# KiCad board Space.kicad_pcb (continued)
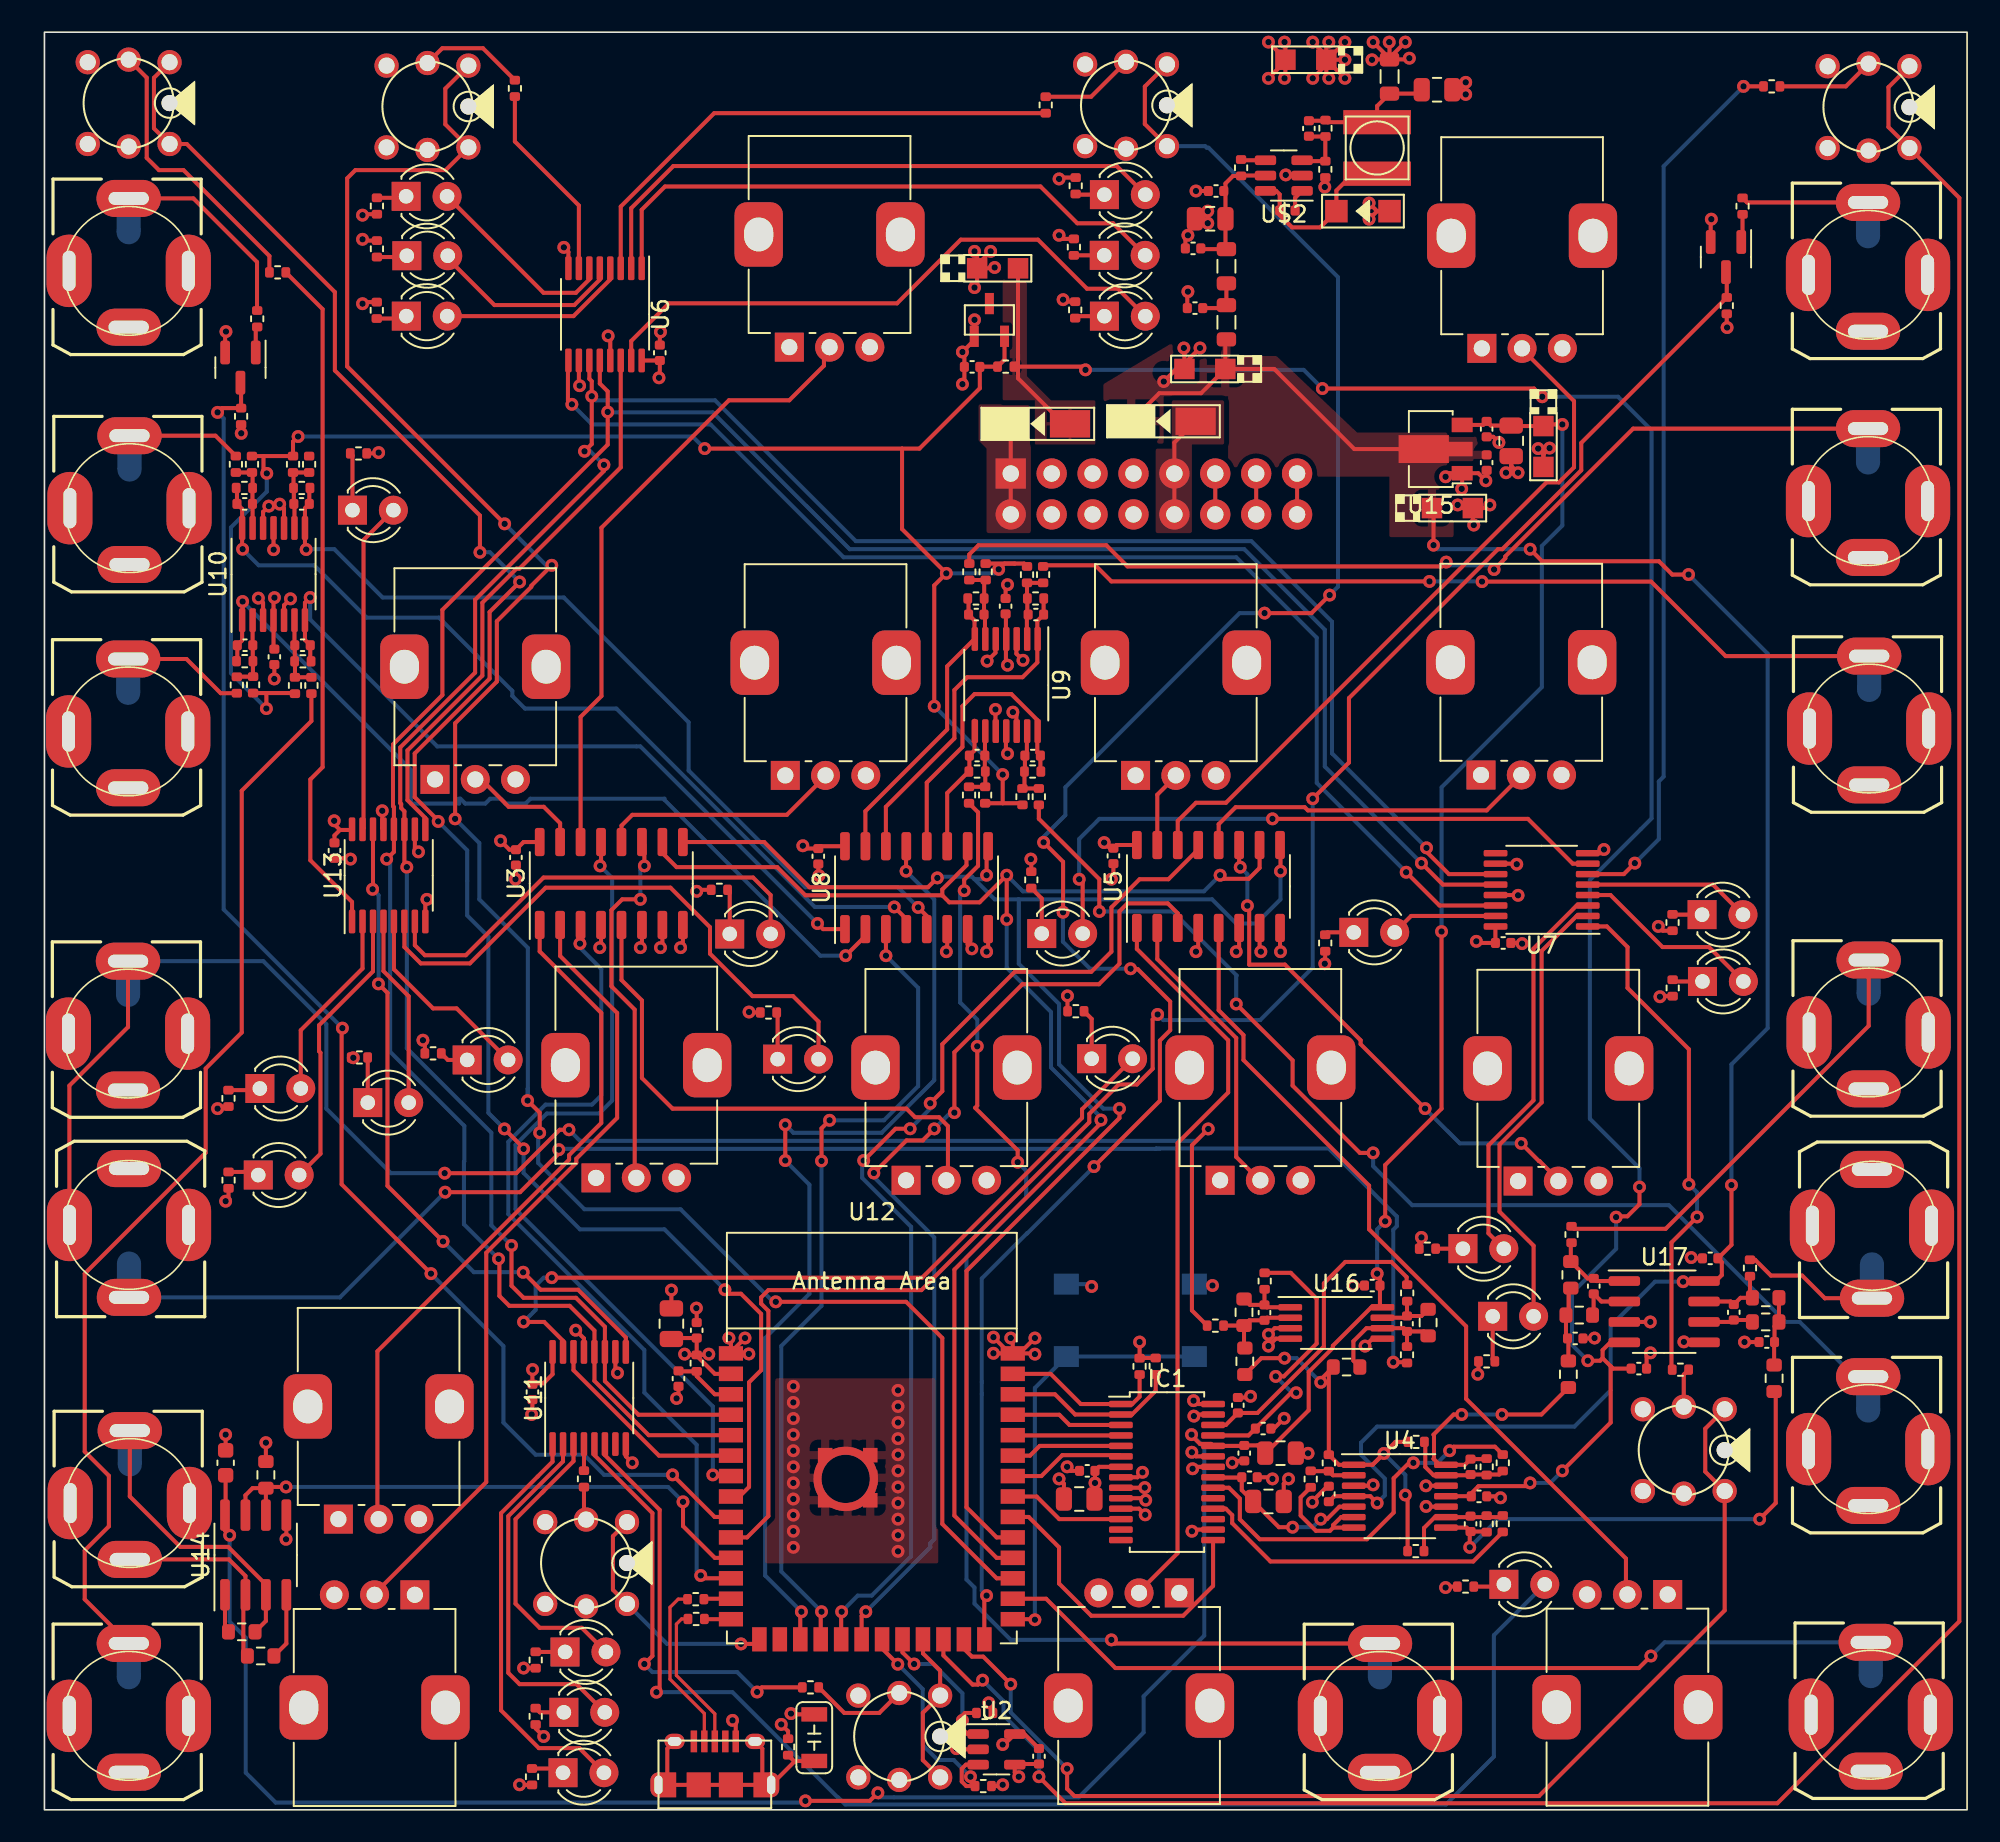
[diagram p0: board, top side]
## Footprints (pads in the part's own frame, mm; a bottom-side part is the same pattern mirrored in y, then rotated)
3.5MM-JACK-SWITCH-13MM-NOHOLES-TESTPAD
  oval 2.8x4.5 hole 0.8x2.5: RING(-3.7,0) SWITCH(3.7,0)
  oval 4x2.3 hole 2.5x0.8: SECOND(0,-3.5) TIP(0,4.5)
  rect 1.5x1.6 smd far side: TIP(0,3.2)
  round 1.5 smd far side: TIP(0,2.4)
C3216
  rect 0.889x1.6 smd: 1(-1.448,0) 2(1.448,0)
C132563
  rect 0.4x1.35 smd: 1(-1.3,4.15) 2(-0.65,4.15) 3(0,4.15) 4(0.65,4.15) 5(1.3,4.15)
  rrect 1.25x0.95 hole 0.85x0.55: B@2(-2.5,4.15) B@4(2.5,4.15)
  rect 1.1x1.55 smd: B@5(2.95,1.45) B@8(-2.95,1.45)
  rect 1.5x1.55 smd: B@6(1,1.45) B@7(-1,1.45)
  rrect 1x1.55 hole 0.5x1.15: B@9(-3.5,1.45) B@12(3.5,1.45)
C_0402_1005Metric
  rrect 0.56x0.62 smd: 1(-0.48,0) 2(0.48,0)
C_0603_1608Metric
  rrect 0.9x0.95 smd: 1(-0.775,0) 2(0.775,0)
C_0805_2012Metric
  rrect 1x1.45 smd: 1(-0.95,0) 2(0.95,0)
CASE-A_3216
  rect 1.27x1.27 smd: +(-1.27,0) -(1.27,0)
DO-214AC
  rect 2.5x1.7 smd: 1(-2,0) 2(2,0)
ESP32-S3-WROOM-1
  rect 1.5x0.9 smd: 1(-8.75,8.26) 2(-8.75,6.99) 3(-8.75,5.72) 4(-8.75,4.45) 5(-8.75,3.18) 6(-8.75,1.91) 7(-8.75,0.64) 8(-8.75,-0.63) 9(-8.75,-1.9) 10(-8.75,-3.17) 11(-8.75,-4.44) 12(-8.75,-5.71) 13(-8.75,-6.98) 14(-8.75,-8.25) 27(8.75,-8.25) 28(8.75,-6.98) 29(8.75,-5.71) 30(8.75,-4.44) 31(8.75,-3.17) 32(8.75,-1.9) 33(8.75,-0.63) 34(8.75,0.64) 35(8.75,1.91) 36(8.75,3.18) 37(8.75,4.45) 38(8.75,5.72) 39(8.75,6.99) 40(8.75,8.26)
  rect 0.9x1.5 smd: 15(-6.985,-9.5) 16(-5.715,-9.5) 17(-4.445,-9.5) 18(-3.175,-9.5) 19(-1.905,-9.5) 20(-0.635,-9.5) 21(0.635,-9.5) 22(1.905,-9.5) 23(3.175,-9.5) 24(4.445,-9.5) 25(5.715,-9.5) 26(6.985,-9.5)
  rect 0.9x0.9 smd: 41(-2.9,1.94) 41(-2.9,0.54) 41(-2.9,-0.86) 41(-1.5,1.94) 41(-1.5,0.54) 41(-1.5,-0.86) 41(-0.1,1.94) 41(-0.1,0.54) 41(-0.1,-0.86)
L0420
  rect 1.5x4.2 smd: 1(-1.6,0) 2(1.6,0)
L_0805_2012Metric
  rrect 0.875x1.2 smd: 1(-1.062,0) 2(1.062,0)
LED_D3.0mm_FlatTop
  rect 1.8x1.8 hole 0.9: 1(0,0)
  round 1.8 hole 0.9: 2(2.54,0)
PB6149L
  round 1 hole 1 unplated: (2.54,0)
  round 1.508 hole 1: 1(2.54,2.54) 2(2.54,-2.54) 3(-2.54,2.54) 4(-2.54,-2.54) LEDNEG(0,-2.7) LEDPOS(0,2.7)
Potentiometer_Alps_RK09K_Single_Vertical
  rect 1.8x1.8 hole 1: 1(0,0)
  round 1.8 hole 1: 2(0,-2.5) 3(0,-5)
  rrect 4x3 hole 2.1x1.8: MP(7,1.9) MP(7,-6.9)
POWER_16_SHROUDED
  rect 1.88x1.88 hole 1.016: 1(-8.89,-1.27)
  round 1.88 hole 1.016: 2(-8.89,1.27) 3(-6.35,-1.27) 4(-6.35,1.27) 5(-3.81,-1.27) 6(-3.81,1.27) 7(-1.27,-1.27) 8(-1.27,1.27) 9(1.27,-1.27) 10(1.27,1.27) 11(3.81,-1.27) 12(3.81,1.27) 13(6.35,-1.27) 14(6.35,1.27) 15(8.89,-1.27) 16(8.89,1.27)
R_0402_1005Metric
  rrect 0.54x0.64 smd: 1(-0.51,0) 2(0.51,0)
R_0603_1608Metric
  rrect 0.8x0.95 smd: 1(-0.825,0) 2(0.825,0)
SO-16_3.9x9.9mm_P1.27mm
  rrect 1.75x0.6 smd: 1(-2.575,4.445) 2(-2.575,3.175) 3(-2.575,1.905) 4(-2.575,0.635) 5(-2.575,-0.635) 6(-2.575,-1.905) 7(-2.575,-3.175) 8(-2.575,-4.445) 9(2.575,-4.445) 10(2.575,-3.175) 11(2.575,-1.905) 12(2.575,-0.635) 13(2.575,0.635) 14(2.575,1.905) 15(2.575,3.175) 16(2.575,4.445)
SOD123
  rect 1.397x1.397 smd: +(-1.651,0) -(1.651,0)
SOIC-8_3.9x4.9mm_P1.27mm
  rrect 1.95x0.6 smd: 1(-2.475,1.905) 2(-2.475,0.635) 3(-2.475,-0.635) 4(-2.475,-1.905) 5(2.475,-1.905) 6(2.475,-0.635) 7(2.475,0.635) 8(2.475,1.905)
SOT95P237X112-3N
  rect 1.321x0.559 smd: 1(-1.016,0.94) 2(-1.016,-0.94) 3(1.016,0)
SOT-23
  rrect 1.475x0.6 smd: 1(-0.938,0.95) 2(-0.938,-0.95) 3(0.938,0)
SOT-23-5
  rrect 1.325x0.6 smd: 1(-1.137,0.95) 2(-1.137,0) 3(-1.137,-0.95) 4(1.137,-0.95) 5(1.137,0.95)
SOT-23-6
  rrect 1.325x0.6 smd: 1(-1.137,0.95) 2(-1.137,0) 3(-1.137,-0.95) 4(1.137,-0.95) 5(1.137,0) 6(1.137,0.95)
SOT-89-3
  rect 1.3x0.9 smd: 1(-1.65,1.5) 3(-1.65,-1.5)
  custom 4.6x1.733 smd: 2(-1.562,0)
SW_Push_1P1T_NO_6x6mm_H9.5mm
  rect 1.55x1.3 smd: 1(-3.975,2.25) 1(3.975,2.25) 2(-3.975,-2.25) 2(3.975,-2.25)
TSSOP-8_4.4x3mm_P0.65mm
  rrect 1.475x0.4 smd: 1(-2.862,0.975) 2(-2.862,0.325) 3(-2.862,-0.325) 4(-2.862,-0.975) 5(2.862,-0.975) 6(2.862,-0.325) 7(2.862,0.325) 8(2.862,0.975)
TSSOP-14_4.4x5mm_P0.65mm
  rrect 1.475x0.4 smd: 1(-2.862,1.95) 2(-2.862,1.3) 3(-2.862,0.65) 4(-2.862,0) 5(-2.862,-0.65) 6(-2.862,-1.3) 7(-2.862,-1.95) 8(2.862,-1.95) 9(2.862,-1.3) 10(2.862,-0.65) 11(2.862,0) 12(2.862,0.65) 13(2.862,1.3) 14(2.862,1.95)
TSSOP-16_4.4x5mm_P0.65mm
  rrect 1.475x0.4 smd: 1(-2.862,2.275) 2(-2.862,1.625) 3(-2.862,0.975) 4(-2.862,0.325) 5(-2.862,-0.325) 6(-2.862,-0.975) 7(-2.862,-1.625) 8(-2.862,-2.275) 9(2.862,-2.275) 10(2.862,-1.625) 11(2.862,-0.975) 12(2.862,-0.325) 13(2.862,0.325) 14(2.862,0.975) 15(2.862,1.625) 16(2.862,2.275)
TSSOP-28_4.4x9.7mm_P0.65mm
  rrect 1.475x0.4 smd: 1(-2.862,4.225) 2(-2.862,3.575) 3(-2.862,2.925) 4(-2.862,2.275) 5(-2.862,1.625) 6(-2.862,0.975) 7(-2.862,0.325) 8(-2.862,-0.325) 9(-2.862,-0.975) 10(-2.862,-1.625) 11(-2.862,-2.275) 12(-2.862,-2.925) 13(-2.862,-3.575) 14(-2.862,-4.225) 15(2.862,-4.225) 16(2.862,-3.575) 17(2.862,-2.925) 18(2.862,-2.275) 19(2.862,-1.625) 20(2.862,-0.975) 21(2.862,-0.325) 22(2.862,0.325) 23(2.862,0.975) 24(2.862,1.625) 25(2.862,2.275) 26(2.862,2.925) 27(2.862,3.575) 28(2.862,4.225)

## Nets
+3V3: C9.1 C10.1 C31.1 C32.1 C33.1 C34.1 C35.1 C36.1 C45.2 C46.1 C55.+ C61.1 C62.1 C63.1 C64.1 IC1.7 L8.2 R76.2 R77.1 R78.1 R93.2 R95.2 R118.2 R119.1 R120.2 RV1.3 RV2.3 RV3.3 RV4.3 RV5.3 RV6.3 RV8.3 RV9.3 RV10.3 RV11.3 RV13.3 RV14.3 RV15.3 RV16.3 U2.4 U3.16 U5.16 U6.10 U6.16 U7.10 U7.16 U8.16 U9.4 U10.4 U11.10 U11.16 U12.2 U13.10 U13.16
+5V: C1.1 C7.2 C8.+ C15.1 C16.1 C47.1 C71.1 IC1.24 U14.8 U15.3 U16.8
+12V: C2.1 C3.+ C27.1 C28.1 C50.+ D21.2 L5.1 U4.4 U15.2 U17.8
-5V: C57.2 R38.1 R40.1 R44.1 R46.1 R50.1 R52.1 R56.1 R58.1 R72.2 U1.2
-12V: C26.1 C29.1 C58.- D22.1 R72.1 U4.11 U17.4
/PCM3060/VINL: C14.2 IC1.25 R97.2
/PCM3060/VINR: C11.2 IC1.26 R98.2
/Power/3.3v_regulator_feedback_1: C54.2 C56.1 L7.2 L8.1 R70.1
/Power/3.3v_regulator_feedback_2: C56.2 R70.2 R71.1 U$2.3
/Power/3.3v_regulator_filter: C51.2 L5.2 L6.1
/Power/3.3v_regulator_inputside: C49.2 C52.2 C53.2 L6.2 R69.2 U$2.5
/Power/3.3v_regulator_switchoutput: C48.1 D3.- L7.1 U$2.6
GND: C1.2 C2.2 C3.- C7.1 C8.- C9.2 C10.2 C11.1 C12.2 C13.2 C14.1 C15.2 C16.2 C24.1 C25.1 C26.2 C27.2 C28.2 C29.2 C31.2 C32.2 C33.2 C34.2 C35.2 C36.2 C45.1 C46.2 C47.2 C49.1 C50.- C51.1 C52.1 C53.1 C54.1 C55.- C57.1 C58.+ C59.1 C60.2 C61.2 C62.2 C63.2 C64.2 C71.2 D3.+ IC1.8 IC1.9 IC1.10 IC1.11 IC1.16 IC1.22 IC1.23 IC1.27 IC1.28 J1.3 J1.4 J1.5 J1.6 J1.7 J1.8 J14.5 JACK1.RING JACK1.SWITCH JACK2.RING JACK2.SWITCH JACK3.RING JACK3.SWITCH JACK4.RING JACK4.SWITCH JACK5.RING JACK5.SWITCH JACK6.RING JACK6.SWITCH JACK7.RING JACK7.SWITCH JACK8.RING JACK9.RING JACK9.SWITCH JACK10.RING JACK10.SWITCH JACK11.RING JACK12.RING JACK13.RING JACK13.SWITCH JACK14.RING JACK15.RING Q3.2 Q4.2 R1.2 R2.2 R4.2 R25.2 R26.2 R28.2 R30.2 R32.2 R33.2 R34.2 R35.2 R36.2 R37.2 R64.2 R65.2 R71.2 R75.1 R80.2 R82.2 R83.2 R84.2 R87.2 R88.2 R89.2 R91.2 R92.2 RV1.1 RV2.1 RV3.1 RV4.1 RV5.1 RV6.1 RV8.1 RV9.1 RV10.1 RV11.1 RV13.1 RV14.1 RV15.1 RV16.1 SW1.1 U1.1 U2.2 U2.5 U3.4 U3.6 U3.7 U3.8 U4.3 U4.10 U4.12 U5.4 U5.6 U5.7 U5.8 U6.8 U6.13 U7.8 U7.13 U8.6 U8.7 U8.8 U9.3 U9.5 U9.10 U9.11 U9.12 U10.3 U10.5 U10.10 U10.11 U10.12 U11.8 U11.13 U12.1 U12.40 U12.41 U13.8 U13.13 U14.5 U15.1 U16.3 U16.4 U16.5 U17.3 U17.5 U$2.2 U$3.3 U$3.4 U$3.LEDNEG U$4.3 U$4.4 U$4.LEDNEG U$5.3 U$5.4 U$5.LEDNEG U$6.3 U$6.4 U$6.LEDNEG U$7.3 U$7.4 U$7.LEDNEG U$8.3 U$8.4 U$8.LEDNEG U$9.3 U$9.4 U$9.LEDNEG
/_MIDIIN1: JACK15.SECOND R122.1 U14.2
/_MIDIIN2: JACK15.TIP R121.1 U14.3
/BOOTSEL_BUT: SW1.2 U12.27
/BUTTON_DELAY: U12.29 U$7.1 U$7.2
/BUTTON_FREEZE: U12.24 U$4.1 U$4.2
/BUTTON_PITCH: U12.15 U$8.1 U$8.2
/BUTTON_PITCHPOINT: U12.23 U$5.1 U$5.2
/BUTTON_SEND: U12.25 U$6.1 U$6.2
/BUTTON_TAIL: U12.26 U$9.1 U$9.2
/BUTTON_TAP: U12.8 U$3.1 U$3.2
/CODEC_RESET: IC1.15 U12.32
/CODEC_SCL: IC1.1 R119.2 U12.39
/CODEC_SDA: IC1.2 R118.1 U12.38
/CodecBuffer/BIAS_BUFFERED: R102.1 U4.6 U4.7
/CodecBuffer/BIAS_INVERTED: R68.1 R100.1 R103.2 R106.1 R117.1 U4.1
/CodecBuffer/In_Jack_Left: JACK13.TIP JACK14.SWITCH R67.1
/CodecBuffer/In_Jack_Right: JACK14.TIP R99.1
/CodecBuffer/Out_Jack_Left: JACK11.TIP R110.2
/CodecBuffer/Out_Jack_Right: JACK12.TIP R115.2
/CodecBuffer/Out_Left: IC1.20 R114.1
/CodecBuffer/Out_Left_Neg: IC1.19
/CodecBuffer/Out_Right: IC1.18 R105.1
/CodecBuffer/Out_Right_Neg: IC1.17
/CVADC0: U8.13 U12.17
/CVADC1: U8.3 U12.18
/CVJacks/CV_DELAY_FEEDBACK: JACK2.TIP R39.1
/CVJacks/CV_DELAY_LENGTH: JACK1.TIP R57.1
/CVJacks/CV_MIX: JACK7.TIP R59.1
/CVJacks/CV_PITCH_CONTROL: JACK4.TIP R53.1
/CVJacks/CV_PITCH_TRANSPOSE: JACK3.TIP R45.1
/CVJacks/CV_TAIL_LENGTH: JACK6.TIP R47.1
/CVJacks/CV_TAIL_TEMPERATURE: JACK5.TIP R41.1
/CVJacks/JACK_FREEZE: JACK9.TIP R96.1
/CVJacks/JACK_TAP: JACK10.TIP R94.1
/CVJacks/XCV0: C38.2 R43.2 U8.14 U9.1
/CVJacks/XCV1: C40.2 R49.2 U8.15 U9.7
/CVJacks/XCV2: C42.2 R55.2 U8.11 U9.8
/CVJacks/XCV3: C44.2 R61.2 U8.12 U9.14
/CVJacks/XCV4: C39.2 R48.2 U8.1 U10.7
/CVJacks/XCV5: C41.2 R54.2 U8.5 U10.8
/CVJacks/XCV6: C37.2 R42.2 U8.2 U10.1
/CVJacks/XCV7: C43.2 R60.2 U8.4 U10.14
/CVMUX0: U3.10 U5.10 U8.10 U12.30
/CVMUX1: U3.9 U5.9 U8.9 U12.31
/EEPROM_SCL: R77.2 U2.1 U12.22
/EEPROM_SDA: R76.1 U2.3 U12.21
/EN: C60.1 R78.2 U12.3
/I2S_ADC: IC1.12 U12.33
/I2S_BCLK: IC1.5 U12.35
/I2S_DAC: IC1.3 U12.37
/I2S_LRC: IC1.4 U12.36
/JACK_FREEZE: Q3.3 R95.1 U12.10
/JACK_TAP: Q4.3 R93.1 U12.9
/KNOBADC0: U3.13 U12.7
/KNOBADC1: U3.3 U12.12
/KNOBADC2: U5.13 U12.19
/KNOBADC3: U5.3 U12.20
/Knobs/KNOB_DELAY: RV14.2 U3.5
/Knobs/KNOB_DELAY_FEEDBACK: RV2.2 U3.15
/Knobs/KNOB_DELAY_LENGTH: RV13.2 U3.14
/Knobs/KNOB_DELAY_PATTERN: RV5.2 U3.12
/Knobs/KNOB_DIFFUSE: RV11.2 U3.11
/Knobs/KNOB_DIFFUSE_STYLE: RV4.2 U3.1
/Knobs/KNOB_ENVTRACK: RV9.2 U5.5
/Knobs/KNOB_MAIN: RV15.2 U5.11
/Knobs/KNOB_PITCH_CONTROL: RV16.2 U5.1
/Knobs/KNOB_PITCH_TRANSPOSE: RV8.2 U3.2
/Knobs/KNOB_TAIL: RV6.2 U5.2
/Knobs/KNOB_TAIL_CHORALITY: RV3.2 U5.15
/Knobs/KNOB_TAIL_LENGTH: RV1.2 U5.14
/Knobs/KNOB_TAIL_TEMPERATURE: RV10.2 U5.12
/LED_DELAY: R85.1 U6.7
/LED_DELAYMODE_1: D26.2 U6.6
/LED_DELAYMODE_2: D27.2 U6.5
/LED_DELAYMODE_3: D28.2 U6.4
/LED_ENVTRACKER_OUT: D1.2 U11.6
/LED_FREEZE: R62.1 U7.6
/LED_MIX_DELAY: D32.2 U7.7
/LED_MIX_DIFFUSE: D20.2 U13.7
/LED_MIX_TAIL: D33.2 U7.15
/LED_PITCH: R86.1 U11.4
/LED_PITCHMODE_1: D23.2 U11.3
/LED_PITCHMODE_2: D24.2 U11.2
/LED_PITCHMODE_3: D25.2 U11.1
/LED_PITCHPOINT: R63.1 U11.5
/LED_PP_DELAY: D15.2 U13.6
/LED_PP_DELAY_FEEDBACK: D13.2 U13.15
/LED_PP_DIFFUSE: D11.2 U13.5
/LED_PP_DRY: D7.2 U7.2
/LED_PP_MAINPOST: D17.2 U7.3
/LED_PP_MAINPRE: D9.2 U13.4
/LED_PP_TAIL: D19.2 U11.15
/LED_SEND: R81.1 U7.1
/LED_TAIL: R90.1 U6.3
/LED_TAILMODE_1: D29.2 U6.2
/LED_TAILMODE_2: D30.2 U6.1
/LED_TAILMODE_3: D31.2 U6.15
/LED_TAP: R79.1 U13.1
/LED_VU_IN_1: D16.2 U13.3
/LED_VU_IN_2: D18.2 U13.2
/LED_VU_OUT_1: D4.2 U7.5
/LED_VU_OUT_2: D8.2 U7.4
/LEDCLK: U6.11 U7.11 U11.11 U12.4 U13.11
/LEDDAT: U11.14 U12.6
/LEDLAT: U6.12 U7.12 U11.12 U12.5 U13.12
/MCLK: IC1.6 U12.34
/MIDIIN: R120.1 U12.11 U14.6 U14.7
/MODENV_PWM: JACK8.TIP U12.28
/PCM3060/VCOM: C12.1 C13.1 IC1.21 U4.5
/Power/min12in: D22.2 J1.1 J1.2
/Power/plus12in: D21.1 J1.9 J1.10
/SHIFTER_CONN_A: U6.9 U7.14
/SHIFTER_CONN_B: U6.14 U13.9
/SHIFTER_CONN_C: U11.9 U13.14
/USB_N: J14.2 R74.1
/USB_P: J14.3 R73.1
Net-(C24-Pad2): C24.2 R107.2 R108.1 R109.1
Net-(C25-Pad2): C25.2 R111.1 R112.2 R113.1
Net-(C65-Pad1): C65.1 R66.2 R97.1 U16.1
Net-(C66-Pad1): C66.1 R98.1 R101.2 U16.7
Net-(C67-Pad1): C67.1 R104.2 R112.1 U4.8
Net-(C68-Pad1): C68.1 R109.2 R110.1 U17.1
Net-(C69-Pad1): C69.1 R111.2 R115.1 U17.7
Net-(C70-Pad1): C70.1 R107.1 R116.2 U4.14
Net-(D1-K): D1.1 R1.1
Net-(D4-K): D4.1 R2.1
Net-(D7-K): D7.1 R4.1
Net-(D8-K): D8.1 R25.1
Net-(D9-K): D9.1 R26.1
Net-(D11-K): D11.1 R28.1
Net-(D13-K): D13.1 R30.1
Net-(D15-K): D15.1 R32.1
Net-(D16-K): D16.1 R33.1
Net-(D17-K): D17.1 R34.1
Net-(D18-K): D18.1 R35.1
Net-(D19-K): D19.1 R36.1
Net-(D20-K): D20.1 R37.1
Net-(D23-K): D23.1 R64.1
Net-(D24-K): D24.1 R65.1
Net-(D25-K): D25.1 R80.1
Net-(D26-K): D26.1 R82.1
Net-(D27-K): D27.1 R83.1
Net-(D28-K): D28.1 R84.1
Net-(D29-K): D29.1 R87.1
Net-(D30-K): D30.1 R88.1
Net-(D31-K): D31.1 R89.1
Net-(D32-K): D32.1 R91.1
Net-(D33-K): D33.1 R92.1
Net-(J14-GND@3): C59.2 J14.B@2 J14.B@4 J14.B@5 J14.B@6 J14.B@7 J14.B@8 J14.B@9 J14.B@12 R75.2
Net-(Q3-B): Q3.1 R96.2
Net-(Q4-B): Q4.1 R94.2
Net-(U4A--): R102.2 R103.1 U4.2
Net-(U4C--): C67.2 R104.1 R105.2 R106.2 U4.9
Net-(U4D--): C70.2 R114.2 R116.1 R117.2 U4.13
Net-(U9A--): C38.1 R40.2 R41.2 R43.1 U9.2
Net-(U9B--): C40.1 R46.2 R47.2 R49.1 U9.6
Net-(U9C--): C42.1 R52.2 R53.2 R55.1 U9.9
Net-(U9D--): C44.1 R58.2 R59.2 R61.1 U9.13
Net-(U10A--): C37.1 R38.2 R39.2 R42.1 U10.2
Net-(U10B--): C39.1 R44.2 R45.2 R48.1 U10.6
Net-(U10C--): C41.1 R50.2 R51.2 R54.1 U10.9
Net-(U10D--): C43.1 R56.2 R57.2 R60.1 U10.13
Net-(U12-GPIO19/U1RTS/ADC2_CH8/CLK_OUT2/USB_D-): R74.2 U12.13
Net-(U12-GPIO20/U1CTS/ADC2_CH9/CLK_OUT1/USB_D+): R73.2 U12.14
Net-(U14-A1): R121.2 U14.1
Net-(U14-A2): R122.2 U14.4
Net-(U16A--): C65.2 R66.1 R67.2 R68.2 U16.2
Net-(U16B--): C66.2 R99.2 R100.2 R101.1 U16.6
Net-(U17A--): C68.2 R108.2 U17.2
Net-(U17B--): C69.2 R113.2 U17.6
Net-(U$2-BST): C48.2 U$2.1
Net-(U$2-EN): R69.1 U$2.4
Net-(U$3-POS): R79.2 U$3.LEDPOS
Net-(U$4-POS): R62.2 U$4.LEDPOS
Net-(U$5-POS): R63.2 U$5.LEDPOS
Net-(U$6-POS): R81.2 U$6.LEDPOS
Net-(U$7-POS): R85.2 U$7.LEDPOS
Net-(U$8-POS): R86.2 U$8.LEDPOS
Net-(U$9-POS): R90.2 U$9.LEDPOS

Pads without a net: IC1 13 14; J1 11 12 13 14 15 16; J14 1 4; JACK1 SECOND; JACK2 SECOND; JACK3 SECOND; JACK4 SECOND; JACK5 SECOND; JACK6 SECOND; JACK7 SECOND; JACK8 SECOND SWITCH; JACK9 SECOND; JACK10 SECOND; JACK11 SECOND SWITCH; JACK12 SECOND SWITCH; JACK13 SECOND; JACK14 SECOND; JACK15 SWITCH; R51 1; RV1 MP; RV2 MP; RV3 MP; RV4 MP; RV5 MP; RV6 MP; RV8 MP; RV9 MP; RV10 MP; RV11 MP; RV13 MP; RV14 MP; RV15 MP; RV16 MP; U1 3; U7 9; U11 7; U12 16

## Via types
v1: diameter 0.8, hole 0.4, Top to Bottom, 377 vias
v2: diameter 4, hole 3, Top to Bottom, 1 via

## Routing (per net, layer and track width the routed paths; a pad name or vN(x,y) marks a point on that pad's centre or on a via; arc(x,y) is an arc through that point)
+3V3: length 65.8
  Top w0.25: L8.2 84.67,108.73 v1(84.75,108.81) ; L8.2 83.52,108.78 v1(82.5,109.81) ; L8.2 82.45,108.73 v1(82.43,108.71) ; L8.2 83.52,108.83 v1(84.5,109.81) ; L8.2 83.52,109.78 v1(83.5,109.81) ; U13.16 19.06,60.87 18.35,60.87 ; v1(14.28,75.3) 14.22,75.24 U10.4 14.22,72.15 C45.2 ; C55.+ 79.59,109.65 v1(79.75,109.81) ; C55.+ 79.65,108.71 v1(80.75,109.81) ; C55.+ 79.59,107.71 v1(79.75,107.56) ; C55.+ 79.59,108.96 v1(78.75,109.81) ; C55.+ 79.6,108.71 v1(80.75,107.56) ; C55.+ v1(80.75,108.71) ; C55.+ 79.59,108.4 v1(78.75,107.56) ; C61.1 38.99,29.31 C62.1 ; R95.2 104.46,92.09 v1(104.48,92.08) ; U7.16 90.09,54.86 C33.1 89.01,53.85 v1(88.91,53.95) ; v1(68,29.06) R119.1 68.01,28.07 R118.2 ; R120.2 v1(13.75,22.81) ; U12.2 41.62,27.08 40.5,28.21 R78.1 ; C36.1 59.7,74.27 59.7,71.2 v1(59.8,71.1) ; v1(39.75,28.31) 39.8,28.26 R78.1 ; v1(65.8,60.08) 66.15,59.74 C32.1 66.57,59.93 U5.16 ; IC1.7 65.48,21.31 C10.1 v1(65.23,20.31) 65.23,19.34 C9.1 ; v1(38.16,88.95) 38.21,89 C34.1 37.09,90.03 U6.16 ; v1(33.23,88.46) 33.18,88.51 U6.10 ; R78.1 41.2,28.26 v1(41.25,28.31) ; R78.1 C62.1 ; v1(17.99,61.44) 17.99,61.23 18.35,60.87 ; v1(91.42,58.74) 91.38,58.77 U7.10 ; U11.16 31.55,27.06 30.99,26.5 30.36,26.5 C46.1 30.3,27.34 v1(30.31,27.35) ; U3.16 29.75,60.12 29.28,59.64 28.88,59.64 v1(28.32,60.2) ; v1(12.22,85.51) 12.21,85.52 R93.2 ; C62.1 40.61,29.31 ; 18.35,60.87 18.01,60.53 C63.1 ; R77.1 58.89,6.39 v1(58.63,6.65) ; v1(59.5,1.56) 59.42,1.47 R76.2 ; v1(23.22,59.51) 23,59.73 U13.10 ; v1(60.5,2.06) 60.25,2.31 U2.4 60.29,2.84 C64.1 ; v1(47.09,59.89) 47.27,59.71 C35.1 48.19,59.86 49.7,59.86 ; v1(35.58,27.14) 35.45,27.27 U11.10
+5V: length 182
  Top w0.25: v1(51.75,1.06) 51.25,0.56 v1(47.25,0.56) ; v1(11.5,17.06) 11.21,17.34 U14.8 11.25,18.34 C71.1 ; U15.3 89.33,86.03 C1.1 89.81,85.99 C7.2 91.1,85.96 C8.+ 93.18,86.06 v1(94.25,86.06) ; v1(86.75,54.56) 86.75,43.56 83.25,40.06 v1(83.25,36.56) ; v1(71.23,23.31) 71.17,23.31 71.75,22.73 72.44,22.73 IC1.24 74.47,22.61 C16.1 75.32,22.64 C15.1 75.84,22.16 78.5,24.82 78.5,27.2 80,28.7 80,28.83 82.39,31.22 U16.8 82.93,31.37 C47.1 82.93,33.13 v1(82.75,33.31)
  Bottom w0.25: v1(71.23,23.31) 72.01,22.52 72.01,10.82 68.25,7.06 68.25,4.81 64.22,0.78 51.78,0.78 51.75,0.81 v1(51.75,1.06) ; v1(47.25,0.56) 47.14,0.45 14.36,0.45 12.5,2.31 12.5,10.68 11.5,11.68 v1(11.5,17.06) ; v1(83.25,36.56) 82.75,36.06 v1(82.75,33.31) ; v1(86.75,54.56) 86.75,63.51 92.97,69.74 92.97,78.5 94.25,79.78 v1(94.25,86.06)
+12V: length 128.5
  Top w0.25: C50.+ 76.36,89.5 81.33,84.53 U15.2 ; C50.+ 73.32,91.27 L5.1 ; C50.+ 71.82,88 69.22,88 D21.2 ; v1(101.75,32.81) 101.79,32.85 U17.8 103.78,32.85 104.15,33.22 104.15,34.02 C28.1 104.75,35.1 v1(104.75,38.81) ; v1(86.25,78.56) 86.25,80.77 C3.+ ; v1(102.08,76.73) 101.08,76.73 100.25,77.56 93,77.56 v1(92.25,78.31) ; C27.1 80.09,19.48 U4.4 82.32,19.48 v1(82.75,19.06)
  Bottom w0.25: v1(86.25,78.56) 86.5,78.31 v1(92.25,78.31) ; v1(101.75,32.81) 100,32.81 97.25,30.06 97.25,26.06 95,23.81 82.75,23.81 81.75,22.81 81.75,22.06 83.22,20.58 83.22,19.53 v1(82.75,19.06) ; v1(102.08,76.73) 107,71.81 107,48.56 104.75,46.31 v1(104.75,38.81)
-5V: length 108.5
  Top w0.25: v1(13.8,83.02) 13.6,83.22 13.6,84.09 ; 59.5,62.53 v1(59.5,64.31) ; 59.5,62.53 R52.1 ; 59.5,62.53 60.63,62.53 R58.1 ; 13.6,84.09 R56.1 ; 13.6,84.09 R50.1 15.44,84.99 v1(15.75,85.31) ; v1(59.25,77.06) 59.61,77.41 60.25,77.41 ; 13.73,69.37 13.78,69.32 v1(13.78,68.41) ; 13.73,69.37 R38.1 ; 13.73,69.37 15.52,69.37 15.56,69.33 ; 60.25,77.41 60.83,77.41 R40.1 ; 60.25,77.41 R46.1 ; 53.25,84.56 53.25,79.56 v1(56,76.81) 55.25,76.06 v1(55.25,68.56) ; 53.25,84.56 v1(41,84.56) ; 53.25,84.56 54.33,84.56 58.08,88.3 C57.2 58.09,89.65 R72.2 59.61,90.08 U1.2
  Bottom w0.25: v1(56,76.81) 59,76.81 v1(59.25,77.06) ; v1(13.8,83.02) 13.8,81.88 11.58,79.65 11.58,70.61 v1(13.78,68.41) ; v1(15.75,85.31) 40.25,85.31 v1(41,84.56) ; v1(59.5,64.31) v1(55.25,68.56)
-12V: length 137.3
  Top w0.25: C58.- 60.45,90.42 ; 60.45,90.42 60.45,89.9 R72.1 64.44,89.65 v1(64.64,89.45) ; 60.45,90.42 60.45,88.92 63.28,86.09 D22.1 ; v1(99.04,38.69) 99.04,37.62 98.29,36.87 97.64,36.87 v1(97.59,36.82) ; v1(79.35,88.28) 92.49,88.28 v1(93,87.78) ; v1(92.25,20.31) 92.05,20.11 89.05,20.11 88.59,19.65 C26.1 88.59,19.48 U4.11 ; U17.4 97.23,29.04 96.75,28.56 96.75,28.06 ; 97.25,27.56 97.4,27.41 C29.1 ; 97.25,27.56 96.75,28.06 ; 97.25,27.56 97.25,24.06 v1(94.25,21.06) ; 96.75,28.06 96.59,27.9 v1(95.83,27.9)
  Bottom w0.25: v1(93,87.78) 97.71,87.78 99.79,85.7 99.79,61.59 95.96,57.76 95.96,42.93 99.04,39.85 v1(99.04,38.69) ; v1(97.59,36.82) 97.59,34.85 94.85,32.11 94.85,28.88 v1(95.83,27.9) ; v1(92.25,20.31) 93.5,20.31 v1(94.25,21.06) ; v1(79.35,88.28) 78.19,89.45 v1(64.64,89.45)
/PCM3060/VINL: length 18
  Top w0.25: R97.2 77.39,33.36 78.99,31.75 78.99,28.96 76.95,26.92 v1(76.45,26.92) ; IC1.25 74.76,23.26 C14.2 75.19,23.69 77.41,25.91 v1(77.72,25.91)
  Bottom w0.25: v1(76.45,26.92) 77.47,25.91 v1(77.72,25.91)
/PCM3060/VINR: length 19.4
  Top w0.25: R98.2 84.58,32.65 84.58,33.09 83.64,34.03 80.77,34.03 79.44,32.7 79.44,28.78 75.32,24.65 C11.2 73.35,23.91 IC1.26
/Power/3.3v_regulator_feedback_1: length 8.5
  Top w0.25: C54.2 85.28,106.6 L8.1 82.75,105.83 L7.2 79.67,104.83 R70.1 79.5,104.92 C56.1
/Power/3.3v_regulator_feedback_2: length 4
  Top w0.25: U$2.3 78.15,102.41 R71.1 79.53,103.93 79.54,103.94 78.53,103.94 C56.2
/Power/3.3v_regulator_filter: length 2.9
  Top w0.25: C51.2 73.21,93.28 L5.2 L6.1
/Power/3.3v_regulator_inputside: length 8.4
  Top w0.25: U$2.5 74.33,101.52 R69.2 73.8,101.49 73.33,101.02 C49.2 73.33,97 L6.2 71.85,96.94 C52.2
/Power/3.3v_regulator_switchoutput: length 10.8
  Top w0.25: 82.75,101.63 81.26,101.63 80.22,100.58 D3.- 79.21,98.3 77.47,98.3 76.7,99.07 C48.1 76.7,100.34 76.48,100.56 U$2.6
GND: length 181
  Top w0.25: v1(29.25,57.81) 29.28,57.83 C31.2 ; v1(76,109.81) 77.05,108.75 C55.- ; v1(38.25,91.81) 38.21,91.76 C34.2 ; C24.1 96.22,29.28 v1(96.25,29.31) ; C14.1 76.34,23.68 v1(76.98,24.32) ; C3.- 88.69,79.86 v1(88.75,79.81) ; C3.- 89.56,80.86 v1(89.75,81.06) ; C3.- 87.94,80.86 v1(87.75,81.06) ; U11.8 36.1,21.96 v1(36.5,21.56) ; C27.2 79.66,20.1 78.73,19.16 v1(78.73,19.11) ; 60.35,72.73 60.35,71.81 v1(60.76,71.4) ; C55.- 77.05,108.61 v1(76,107.56) ; C55.- 77.05,109.75 v1(77,109.81) ; C55.- 77.05,107.61 v1(77,107.56) ; v1(71.75,90.81) 70.78,89.84 C50.- ; IC1.28 71.56,25.21 v1(71.35,25.42) ; v1(70.75,90.81) 70.78,90.77 C50.- ; U3.7 38.37,53.68 v1(38.25,53.56) ; v1(73.75,21.56) 73.87,21.68 C16.2 ; v1(77.08,101.56) 77.12,101.52 U$2.2 ; v1(31,4.56) 30.5,5.06 R65.2 ; v1(57.75,94.56) 57.91,94.72 C58.+ ; v1(58.92,28.36) 58.93,28.35 U12.40 ; 83.52,99.31 82.75,99.31 ; 82.75,99.31 v1(82.25,99.81) ; 82.75,99.31 v1(82.25,98.81) ; v1(56,53.31) 56.06,53.36 U8.6 ; U6.13 35.13,91.42 v1(35,91.56) ; IC1.23 71.5,21.96 v1(71.24,22.21) ; R2.2 100.48,54.61 v1(100.21,54.88) ; C29.2 99.48,28.15 v1(99.72,28.39) ; v1(96.83,59.65) 96.6,59.42 U7.8 ; U4.12 85.78,20.13 v1(85.78,20.12) ; IC1.9 68.31,20.01 v1(68.32,20.02) ; 59.69,75.25 C36.2 59.68,75.98 v1(59.8,76.1) ; v1(66.25,57.81) 66.38,57.93 C32.2 ; R30.2 20.7,84.26 v1(20.75,84.31) ; C52.1 70.84,97.65 v1(71,97.81) ; R83.2 19.83,97.47 v1(19.75,97.56) ; v1(29.5,1.56) 29.51,1.55 R80.2 ; R36.2 63.52,49.61 v1(63.52,50.56) ; v1(87,82.81) 87.22,83.03 U15.1 ; v1(68.35,18.33) 67.97,18.71 IC1.11 ; U10.5 14.88,74.82 v1(15.28,75.22) ; U8.8 58.59,53.4 v1(58.5,53.31) ; v1(32.25,97.06) 32.53,96.77 U6.8 ; C25.1 v1(105.56,29.06) ; v1(90.41,19.38) 90.32,19.47 89.56,19.47 ; v1(91.5,83.06) 91.07,83.48 C7.1 91.07,83.38 v1(90.75,83.06) ; C13.2 76.15,20.66 v1(76.25,20.56) ; v1(76.75,53.31) 76.72,53.34 U5.8 ; v1(10.75,43.56) 10.88,43.68 R35.2 ; v1(40.48,31.17) 40.5,31.15 C62.2 ; C12.2 76.95,20.26 v1(77.25,20.56) ; C50.- 70.28,89.5 v1(69.5,88.72) ; v1(71.37,24.46) 71.47,24.56 IC1.27 ; R28.2 23.62,47.69 v1(23.5,47.81) ; v1(57,88.56) 57.12,88.68 C57.1 57.12,90.44 v1(57,90.56) 57.73,91.29 U1.1 57.73,92.54 v1(57.75,92.56) ; J14.5 42.92,5.36 v1(42.73,5.56) ; C58.+ 58.95,95.76 v1(59,95.81) ; C58.+ 57.91,96.64 v1(57.75,96.81) ; C58.+ 57.91,95.97 v1(58.75,96.81) ; v1(32.99,29.79) 33.5,29.28 U11.13 ; U3.6 37.1,53.66 v1(37,53.56) ; C35.2 48.05,58.07 v1(48.09,58.03) ; 59.05,72.73 59.05,71.87 v1(58.53,71.35) ; U12.1 42.62,28.43 v1(43.5,29.31) ; U12.1 42.62,29.18 v1(42.5,29.31) ; U12.1 43.7,28.35 v1(43.74,28.32) ; C54.1 87.79,106.85 v1(88.25,107.31) ; C54.1 87.42,107.07 ; C54.1 87.96,106.85 v1(88.25,106.56) ; v1(29.75,8.81) 29.76,8.8 R64.2 ; C47.2 81.26,32.57 v1(81.25,32.56) ; v1(58.92,29.36) 59.93,28.35 U12.40 ; v1(39.5,53.56) 39.64,53.7 U3.8 ; R33.2 11.43,37.99 v1(11.25,37.81) ; 87.02,18.83 85.81,18.83 v1(85.79,18.85) ; C1.2 89.96,85.28 v1(90.31,84.94) ; R1.2 87.06,13.87 v1(87,13.81) ; v1(13.93,80.98) 13.58,80.63 13.58,79.62 ; C63.2 18.95,59.11 v1(19,59.06) ; C28.2 102.3,34.26 v1(102.25,34.31) ; R91.2 61.28,59.03 v1(61.25,59.06) ; U15.1 88.03,82.09 v1(88,82.06) ; U15.1 89.03,83.03 v1(89.5,82.56) 89.55,82.61 C2.2 ; U5.4 71.64,53.45 v1(71.5,53.31) ; U13.13 20.98,60.98 v1(20.98,62.06) ; v1(68.18,20.97) 67.87,20.66 IC1.8 ; R84.2 19.85,93.65 v1(19.75,93.56) ; v1(100.31,50.51) 100.35,50.54 R25.2 ; U12.40 60.12,29.18 v1(60,29.31) ; U12.40 61.45,28.35 v1(61.5,28.31) ; U12.40 60.55,28.35 v1(61.5,29.31) ; 59.05,67 v1(59.05,68.35) ; C60.2 39.37,25.68 v1(39.25,25.56) ; v1(34.48,53.56) 34.56,53.63 U3.4 ; U10.10 14.88,80.84 v1(14.61,81.11) ; v1(101.8,29.07) 101.83,29.04 U17.5 ; v1(76,29.53) 76.39,29.92 U16.3 ; v1(103.5,98.81) 103.46,98.77 Q3.2 ; v1(63.5,21.31) 63.75,21.06 C10.2 ; v1(45.75,5.31) 46.17,4.88 R75.1 ; U10.11 14.22,78.28 v1(14.23,78.28) ; IC1.16 71.35,17.41 v1(71.25,17.31) ; U14.5 15.02,16.83 v1(15,16.81) ; v1(93.46,84.59) 93.07,84.2 C8.- 93.07,84.23 v1(92.75,84.56) ; R87.2 63.08,101.39 v1(63,101.31) ; v1(30.25,24.56) 30.3,24.61 C46.2 ; v1(57.58,53.48) 57.33,53.74 U8.7 ; v1(68.38,19.24) 68.26,19.36 IC1.10 ; v1(72.23,98.56) 71.96,98.83 C49.1 71.76,98.83 v1(72.23,99.3) ; R32.2 43.78,49.53 v1(43.75,49.56) ; 13.58,73.9 13.58,74.97 v1(13.28,75.27) ; v1(76,28.81) 76.46,29.27 U16.4 ; R89.2 63.38,93.68 v1(63.25,93.81) ; C53.1 v1(71.5,100.56) ; C71.2 v1(11.25,23.31) ; v1(63,20.56) 63.3,20.26 C9.2 ; C11.1 74.81,25.61 v1(74.89,25.69) ; U2.2 56.9,3.75 56.85,3.8 v1(56.63,3.8) ; R4.2 89.04,27.1 v1(89,27.06) ; C51.1 70.96,94.27 v1(71,94.31) ; v1(91.5,56.81) 91.48,56.82 U7.13 ; U13.8 23.65,56.46 v1(23.75,56.56) ; v1(59.8,65.6) 59.7,65.7 59.7,67 ; v1(11.27,91.83) 11.22,91.78 Q4.2 ; v1(14.27,70.25) 14.28,70.25 C45.1 ; v1(19.18,46.72) 19.07,46.72 R26.2 ; R92.2 79.53,52.58 v1(79.5,52.56) ; v1(40.5,57.06) 40.59,57.15 R37.2 ; R71.2 79.53,100.84 v1(79.5,100.81) ; IC1.22 71.41,21.31 v1(71.29,21.19) ; C15.2 78.45,22.16 v1(78.46,22.15) ; U5.6 74.18,53.49 v1(74,53.31) ; v1(75.53,53.3) 75.45,53.38 U5.7 ; R82.2 19.81,99.11 v1(19.75,99.06) ; C64.2 60.85,4.71 U2.5 59.6,4.06 v1(59.5,4.06) ; U4.3 82.44,20.13 v1(82.5,20.19) ; v1(91.75,53.81) 91.71,53.85 C33.2 ; v1(63,97.81) 63.22,97.58 R88.2 ; U17.3 v1(99.71,30.31) ; U16.5 82.46,29.27 v1(82,28.81) ; 60.35,67 60.35,67.97 v1(60.13,68.18) ; v1(85.5,35.56) 85.37,35.42 R34.2 ; v1(46.35,5.98) 46.4,5.93 C59.1 ; C61.2 v1(38.93,32.29)
  Bottom w0.25: SW1.1 64.88,32.66 v1(65.02,32.51) ; v1(72.53,32.57) 72.44,32.66 SW1.1
  vias: v1(46.5,26.31) v1(46.5,25.31) v1(46.5,24.31) v1(46.5,23.31) v1(46.5,22.31) v1(46.5,21.31) v1(46.5,20.31) v1(46.5,19.31) v1(46.5,18.31) v1(46.5,17.31) v1(46.5,16.31) v1(53,26.06) v1(53,25.06) v1(53,24.06) v1(53,23.06) v1(53,22.06) v1(53,21.06) v1(53,20.06) v1(53,19.06) v1(53,18.06) v1(53,17.06) v1(53,16.06) v2(49.75,20.56)
/_MIDIIN1: length 12.7
  Top w0.25: R122.1 12.35,9.81 12.35,13.22 U14.2 12.48,14.53 11.45,15.56 JACK15.SECOND
/_MIDIIN2: length 18
  Top w0.25: JACK15.TIP 5.3,19.47 8.43,16.33 11.41,16.33 13.75,13.99 U14.3 13.75,11.73 R121.1
/BOOTSEL_BUT: length 26.5
  Top w0.25: U12.27 61.47,11.84 v1(61.5,11.81)
  Bottom w0.25: v1(61.5,11.81) 61.5,26.21 SW1.2 SW1.2
/BUTTON_DELAY: length 133.5
  Top w0.25: v1(30,44.06) 30.75,43.31 v1(30.75,42.06) ; v1(31.5,77.31) 30.23,76.03 30.23,75.97 28.09,73.83 28.09,70.08 25.5,67.49 v1(25.5,61.56) ; 28.7,79.75 v1(28.58,79.88) 18.8,89.66 18.8,101.34 19.3,101.85 24.91,101.85 U$7.2 24.89,104.7 24.89,106.91 U$7.1 ; U12.29 59.12,14.38 55.75,17.75 55.75,29.31 53.5,31.56 v1(45.41,31.56)
  Bottom w0.25: 30,44.31 30.02,44.32 30.02,44.81 ; v1(30.75,42.06) 30.66,41.97 30.66,40.17 33.53,37.31 39.5,37.31 45.25,31.56 v1(45.41,31.56) ; 30.02,44.81 30.02,53.54 27,56.56 27,60.06 v1(25.5,61.56) ; 30.02,44.81 30,44.79 v1(30,44.06) ; v1(31.5,77.31) 31.15,77.31 v1(28.58,79.88)
/BUTTON_FREEZE: length 173.2
  Top w0.25: U$4.1 114.5,107.01 114.5,104.53 U$4.2 118.9,100.12 118.9,11.71 107.6,0.41 63.4,0.41 v1(61.75,2.06) ; U12.24 55.82,9.59 57.63,7.78 57.97,7.78 v1(58.25,8.06)
  Bottom w0.25: v1(61.75,2.06) 61.75,3.67 59.55,5.87 59.55,6.75 v1(58.25,8.06)
/BUTTON_PITCH: length 15.2
  Top w0.25: U12.15 44.11,10.31 v1(43.25,10.31) ; U$8.2 35.3,13.67 35.3,17 U$8.1
  Bottom w0.25: U$8.2 38.66,10.31 v1(43.25,10.31)
/BUTTON_PITCHPOINT: length 9.9
  Top w0.25: U12.23 54.55,9.72 55.61,8.65 U$5.1 54.54,6.02 54.54,3.09 U$5.2
/BUTTON_SEND: length 71.6
  Top w0.25: v1(60,7.81) 58.29,9.52 57.58,9.52 57.09,10.01 U12.25 ; U$6.1 103.12,23.67 103.12,21.01 U$6.2 104.33,12.39 92.8,0.86 63.95,0.86 63.5,1.31 v1(63.5,2.56)
  Bottom w0.25: v1(60,7.81) 60,6.06 v1(63.5,2.56)
/BUTTON_TAIL: length 125
  Top w0.25: v1(62.04,60.1) 63.25,58.89 v1(63.25,55.75) ; v1(58.5,13.31) 58.36,13.17 U12.26 ; v1(67.44,52.25) 67.47,52.22 67.89,52.22 69.9,50.21 69.9,48.43 69.26,47.79 69.26,44.05 v1(65.17,39.96) ; U$9.1 68.33,107.05 68.33,104.71 69.7,103.34 ; v1(79.8,75.46) 78.68,74.34 v1(75.76,74.34)
  Bottom w0.25: v1(65.17,39.96) 61.02,35.81 61,35.81 58.2,33.01 58.2,13.61 v1(58.5,13.31) ; v1(67.44,52.25) 64.92,52.25 63.24,53.92 63.24,55.75 v1(63.25,55.75) ; v1(62.04,60.1) 62.04,60.44 63.39,61.79 63.39,63.52 74.21,74.34 v1(75.76,74.34) ; v1(79.8,75.46) 80.32,75.98 80.32,95.21 72.28,103.25 72.17,103.25 72.07,103.34 69.7,103.34
/BUTTON_TAP: length 116.1
  Top w0.25: v1(29.51,76.27) 27.64,74.41 27.64,70.27 22.99,65.62 22.99,62.9 24.45,61.44 v1(24.45,61.4) ; U12.8 43.16,19.46 43.75,20.06 43.75,26.56 44.5,27.31 44.5,30.81 43.25,32.06 42.5,32.06 v1(42.25,32.31) ; v1(28.56,42.3) 29.75,41.11 v1(29.75,41.06) ; U$3.1 6.8,107.59 6.8,104.45 U$3.2 8.84,103.48 18.03,94.28 18.03,89.41 27.04,80.4 v1(27.04,78.12)
  Bottom w0.25: v1(27.04,78.12) 27.66,78.12 v1(29.51,76.27) ; v1(29.75,41.06) 29.75,39.56 33.25,36.06 38.5,36.06 v1(42.25,32.31) ; v1(28.56,42.3) 27.56,43.29 27.56,54.24 26.25,55.56 26.25,59.59 v1(24.45,61.4)
/CODEC_RESET: length 19.9
  Top w0.25: IC1.15 72.56,13.91 70.71,12.06 65,12.06 63,14.06 63,16.31 61.11,18.19 U12.32
/CODEC_SCL: length 10.2
  Top w0.25: R119.2 68,25.66 67.54,25.21 IC1.1 64.35,25.21 62.47,27.08 U12.39
/CODEC_SDA: length 11
  Top w0.25: R118.1 69,26.03 67.53,24.56 IC1.2 64,24.56 62.75,25.81 U12.38
/CodecBuffer/BIAS_BUFFERED: length 7.4
  Top w0.25: 80.02,17.53 80.02,17.69 80.51,18.18 U4.6 ; 80.02,17.53 U4.7 ; 80.02,17.53 79.82,17.33 78.95,17.33 78,18.28 78,19.41 R102.1
/CodecBuffer/BIAS_INVERTED: length 26
  Top w0.25: 82.47,21.43 U4.1 80.38,21.43 R103.2 79.75,27.23 R100.1 79.25,26.73 v1(79.25,26.56) ; 82.47,21.43 v1(83.17,22.14) ; 82.47,21.43 83.89,22.86 84.66,22.86 ; v1(84.5,19.56) 84.64,19.42 R106.1 ; v1(77,28.06) 75.56,28.06 R68.1
  Bottom w0.25: v1(77,28.06) 77.75,28.06 v1(79.25,26.56) ; v1(83.17,22.14) 84.5,20.81 v1(84.5,19.56)
/CodecBuffer/In_Jack_Left: length 108.2
  Top w0.25: R67.1 71.25,31.02 71.25,41.28 v1(72.26,42.29) ; JACK14.SWITCH 1.55,44.99 5.19,48.63 JACK13.TIP ; v1(24.85,39.55) 29.3,39.55 31.99,42.24 v1(32.57,42.24)
  Bottom w0.25: v1(24.85,39.55) 21.51,39.55 17.5,43.56 17.5,48.81 13.59,52.72 JACK13.TIP ; v1(32.57,42.24) 33.25,41.56 71.52,41.56 v1(72.26,42.29)
/CodecBuffer/In_Jack_Right: length 94.7
  Top w0.25: v1(31.94,41.01) 31.94,40.77 29.53,38.37 v1(24.88,38.37) ; R99.1 84.56,27.81 v1(83.75,27.81)
  Bottom w0.25: 69,41.06 69.25,41.06 ; 69,41.06 69.03,41.08 79.75,41.08 83.97,36.86 83.97,36.25 83.75,36.03 v1(83.75,27.81) ; 69,41.06 31.98,41.06 v1(31.94,41.01) ; JACK14.TIP 18.34,31.83 v1(24.88,38.37)
/CodecBuffer/Out_Jack_Left: length 27.8
  Top w0.25: R110.2 94.97,36.09 100.67,36.09 113.27,48.7 JACK11.TIP
/CodecBuffer/Out_Jack_Right: length 8.6
  Top w0.25: R115.2 106.22,34.17 107.2,33.19 109.14,33.19 110.55,31.78 110.56,31.78 JACK12.TIP
/CodecBuffer/Out_Left: length 23.9
  Top w0.25: v1(85,21.56) 84.74,21.56 83.78,20.59 83.78,18.47 82.11,16.81 75.46,16.81 74.22,18.04 74.22,19.33 73.55,20.01 IC1.20 ; v1(87.25,22.31) 87.5,22.56 90.06,22.56 R114.1
  Bottom w0.25: v1(87.25,22.31) 86.5,21.56 v1(85,21.56)
/CodecBuffer/Out_Right: length 20.4
  Top w0.25: IC1.18 73.35,18.71 73.75,18.31 73.75,17.81 76.13,15.43 88.72,15.43 R105.1
/CVADC0: length 60.8
  Top w0.25: v1(53.5,58.31) 53.5,59.84 U8.13 ; v1(46,42.56) v1(46,40.33) ; v1(47,12.31) 46.93,12.24 U12.17
  Bottom w0.25: v1(46,42.56) 46.5,42.06 51.99,42.06 55.25,45.32 55.25,56.56 v1(53.5,58.31) ; v1(46,40.33) 47.5,38.83 47.5,32.06 44.75,29.31 44.75,14.56 v1(47,12.31)
/CVADC1: length 51.5
  Top w0.25: v1(48.25,12.31) 48.2,12.25 U12.18 ; v1(52.25,53.06) 52.25,54.7 U8.3 ; v1(48.25,40.31) 48.25,42.33 v1(48.75,42.83)
  Bottom w0.25: v1(48.75,42.83) 52.13,42.83 54.25,44.95 54.25,51.06 v1(52.25,53.06) ; v1(48.25,12.31) 45.75,14.81 45.75,28.81 48.25,31.31 v1(48.25,40.31)
/CVJacks/CV_DELAY_FEEDBACK: length 7.6
  Top w0.25: JACK2.TIP 8.82,71.49 10.94,69.36 R39.1
/CVJacks/CV_DELAY_LENGTH: length 7.1
  Top w0.25: R57.1 10.62,85.36 JACK1.TIP
/CVJacks/CV_MIX: length 70.4
  Top w0.25: v1(82.5,40.81) 81.68,40.81 77.5,44.98 77.5,46.56 v1(74,50.06) ; v1(65.5,55.81) 65.5,57.81 61.74,61.56 R59.1
  Bottom w0.25: JACK7.TIP 112.39,26.91 108.99,30.31 108.11,30.31 100.86,37.56 84.93,37.56 82.5,39.98 v1(82.5,40.81) ; v1(65.5,55.81) 70.05,55.81 74.02,51.83 74,51.81 v1(74,50.06)
/CVJacks/CV_PITCH_CONTROL: length 80.2
  Top w0.25: v1(60.43,40.23) 60.43,40.97 57.79,43.61 57.92,43.74 v1(57.92,47.43) ; v1(57.11,57.1) 57.11,57.78 57.97,58.64 57.97,61.97 R53.1 ; JACK4.TIP 66.47,10.33 v1(66.25,10.56)
  Bottom w0.25: v1(66.25,10.56) 60,10.56 57.75,12.81 57.75,13.81 57.25,14.31 57.25,34.31 60.96,38.02 60.96,39.7 v1(60.43,40.23) ; v1(57.11,57.1) 56.86,56.85 56.86,50.15 57.92,49.09 v1(57.92,47.43)
/CVJacks/CV_PITCH_TRANSPOSE: length 67.2
  Top w0.25: JACK3.TIP 2.5,13.08 2.5,16.11 4,17.61 4,20.75 2.5,22.25 2.5,33.31 10.01,40.81 10.01,46.05 12.25,48.29 12.25,63.31 16.58,67.63 16.58,69.33
/CVJacks/CV_TAIL_LENGTH: length 61.2
  Top w0.25: v1(90.01,77.04) 90.71,77.74 90.71,77.86 98.65,85.8 JACK6.TIP ; v1(87.04,77.5) 86.77,77.24 67.25,77.24 65.93,78.56 58,78.56 57.43,77.98 R47.1
  Bottom w0.25: v1(87.04,77.5) 87.24,77.31 89.75,77.31 v1(90.01,77.04)
/CVJacks/CV_TAIL_TEMPERATURE: length 53.7
  Top w0.25: v1(89.26,76.29) 99.76,76.29 104.39,71.67 JACK5.TIP ; R41.1 62.08,77.31 65.25,77.31 66.25,76.31 v1(86,76.31)
  Bottom w0.25: v1(89.26,76.29) 89.25,76.31 v1(86,76.31)
/CVJacks/JACK_FREEZE: length 7.9
  Top w0.25: R96.1 105.72,99.84 JACK9.TIP
/CVJacks/JACK_TAP: length 12.6
  Top w0.25: JACK10.TIP 9.25,100.09 13.2,96.14 13.2,93.14 13.21,93.13
/CVJacks/XCV0: length 21.5
  Top w0.25: U8.14 52.25,62.3 56.5,66.56 56.5,69.56 57.3,70.35 60.73,70.35 61.65,71.27 61.65,73.86 C38.2 62.04,75.24 R43.2
/CVJacks/XCV1: length 18.4
  Top w0.25: U8.15 50.97,62.03 56.05,67.11 56.05,71.03 57.75,72.73 57.75,73.88 C40.2 57.38,75.2 R49.2
